# KiCad board nvme Carrier all M2.kicad_pcb (continued)
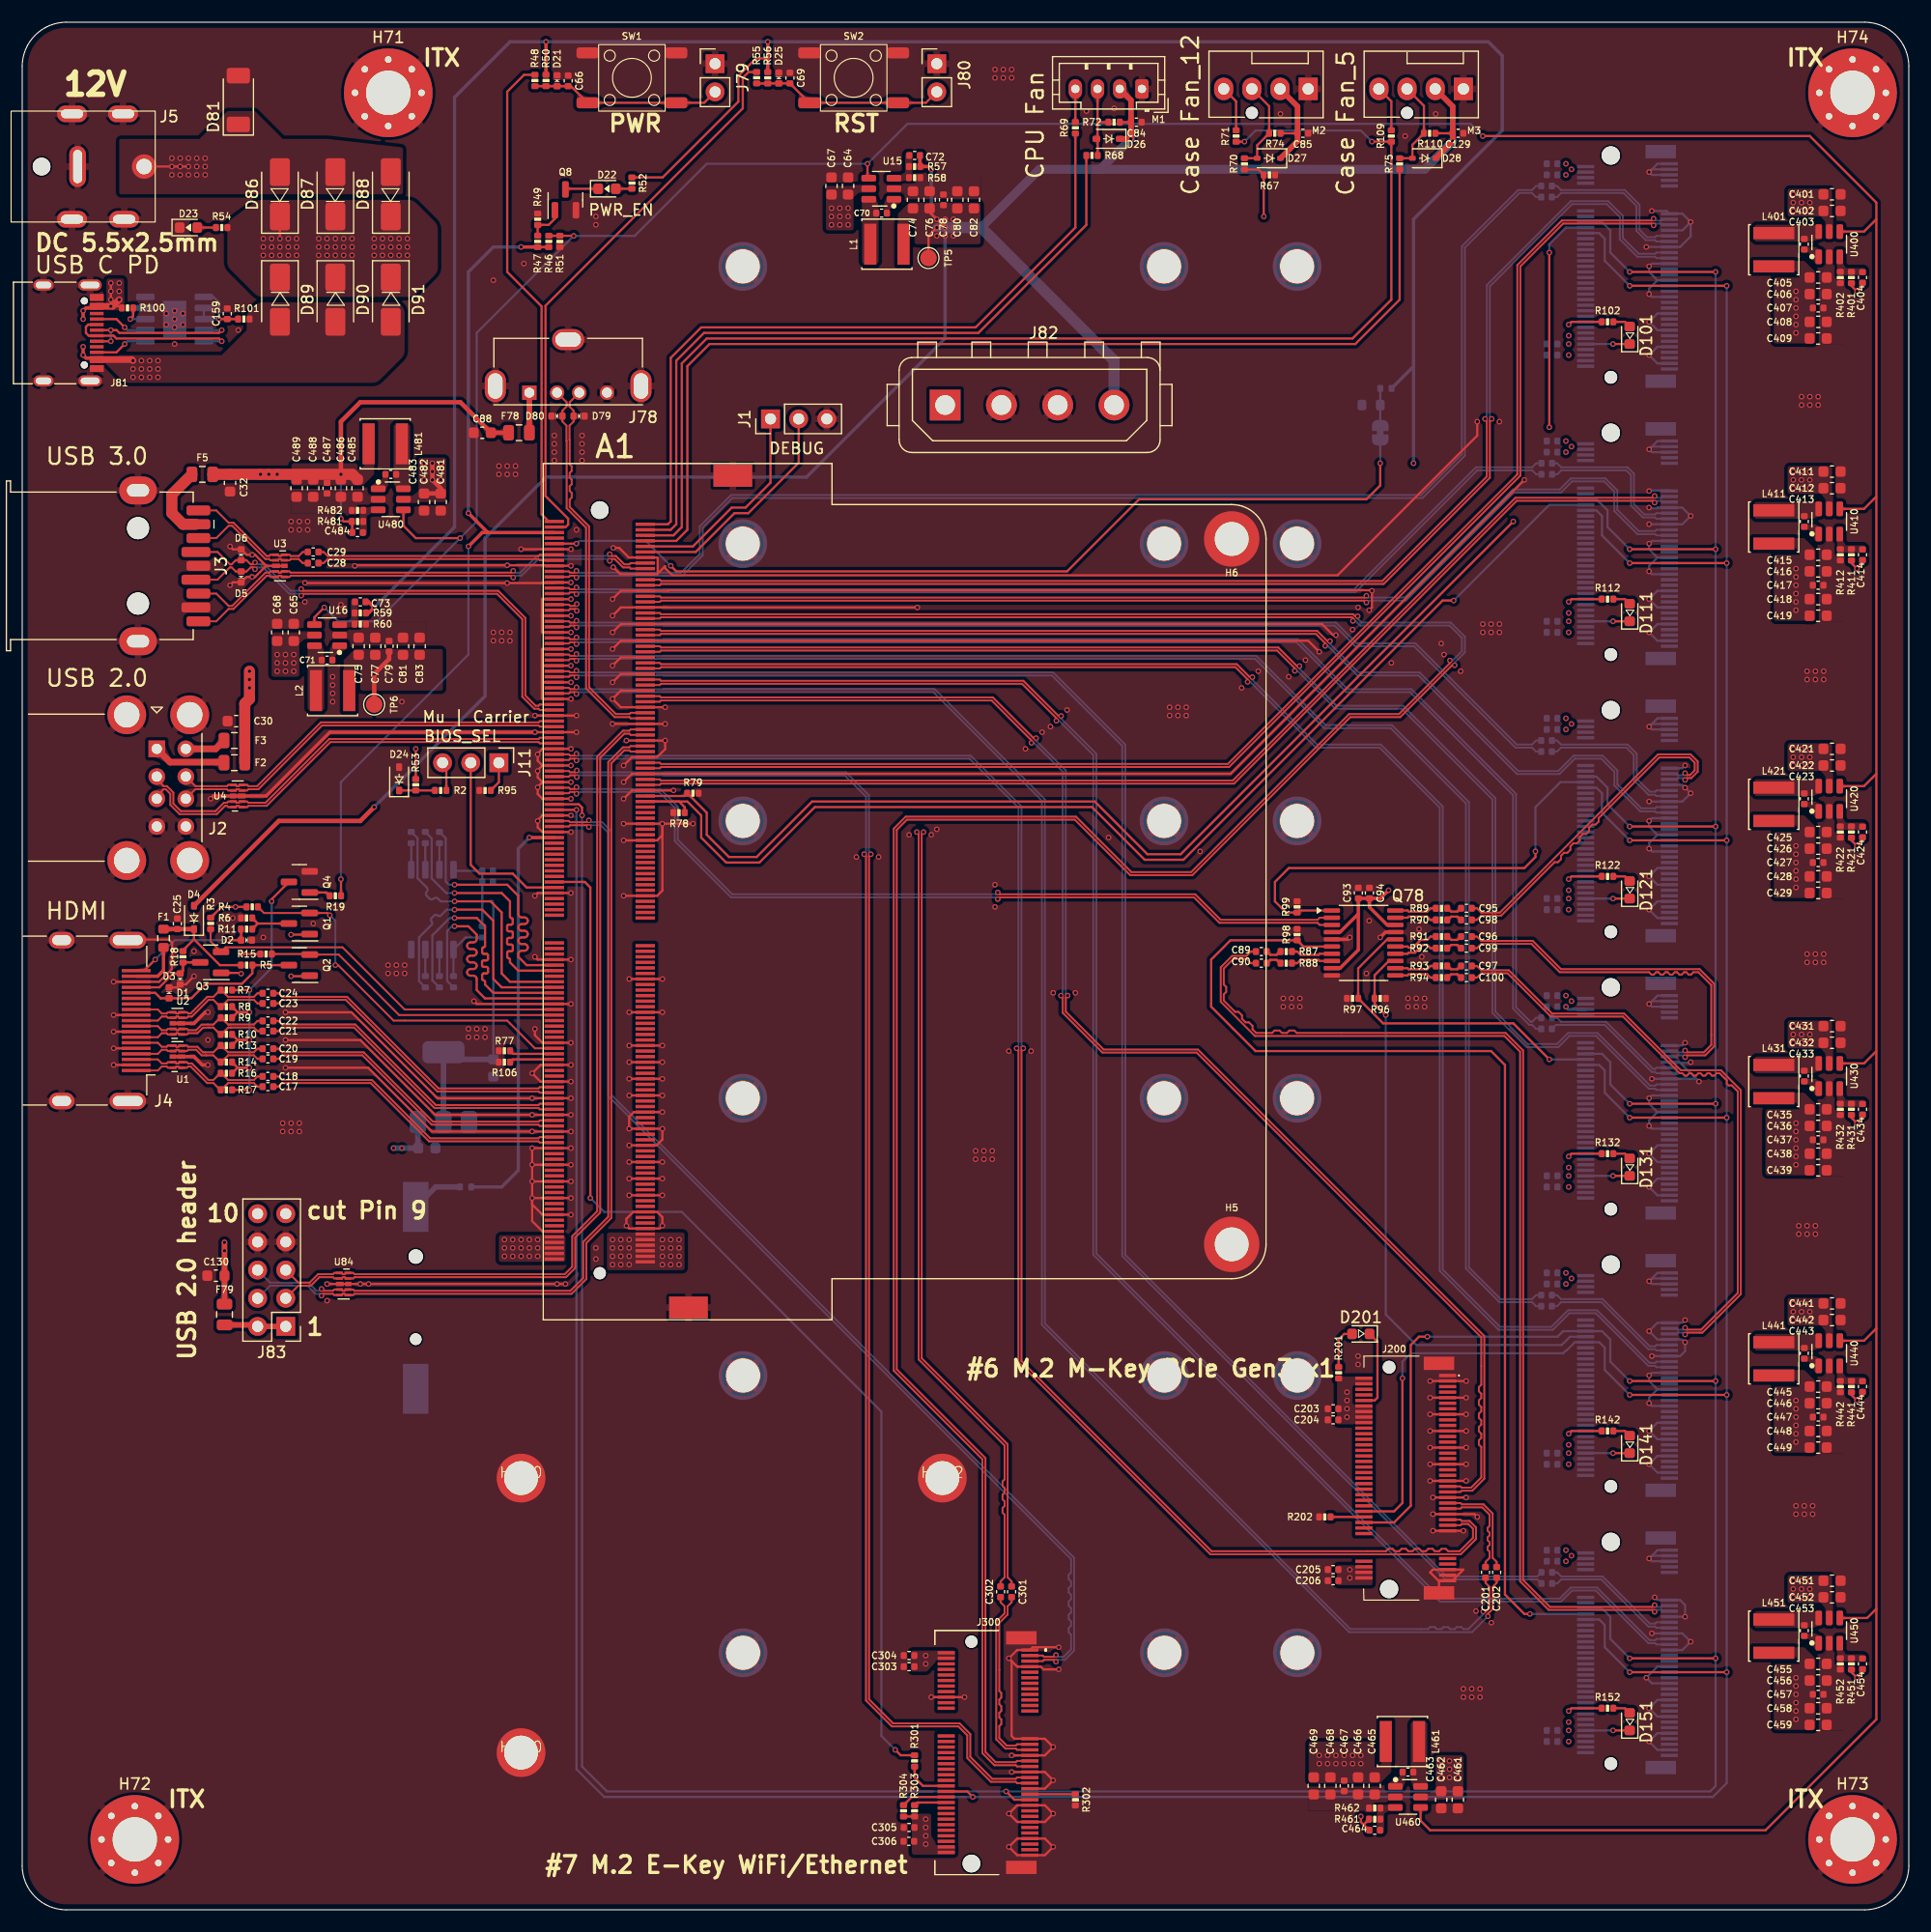
[diagram p0: board, top side]
## Footprints (pads in the part's own frame, mm; a bottom-side part is the same pattern mirrored in y, then rotated) (continued)
R_0402_1005Metric
  rrect 0.54x0.64 smd: 1(-0.51,0) 2(0.51,0)
R_0603_1608Metric
  rrect 0.8x0.95 smd: 1(-0.825,0) 2(0.825,0)
SOIC-8_5.23x5.23mm_P1.27mm
  rrect 1.6x0.6 smd: 1(-3.6,1.905) 2(-3.6,0.635) 3(-3.6,-0.635) 4(-3.6,-1.905) 5(3.6,-1.905) 6(3.6,-0.635) 7(3.6,0.635) 8(3.6,1.905)
SolderJumper-2_P1.3mm_Bridged_RoundedPad1.0x1.5mm
  custom 1x1.5 smd: 1(-0.65,0) 2(0.65,0)
SOT-23
  rrect 1.475x0.6 smd: 1(-0.938,0.95) 2(-0.938,-0.95) 3(0.938,0)
SOT-223-3_TabPin2
  rrect 2x1.5 smd: 1(-3.15,2.3) 2(-3.15,0) 3(-3.15,-2.3)
  rrect 2x3.8 smd: 2(3.15,0)
SSOP-10-1EP_3.9x4.9mm_P1mm_EP2.1x3.3mm
  rrect 1.69x2.66 smd: (0,0)
  rrect 1.675x0.6 smd: 1(-2.638,2) 2(-2.638,1) 3(-2.638,0) 4(-2.638,-1) 5(-2.638,-2) 6(2.638,-2) 7(2.638,-1) 8(2.638,0) 9(2.638,1) 10(2.638,2)
  rect 2.1x3.3 smd: 11(0,0)
SW_Push_6x6x6
  rrect 2x1 smd: 1(-4,2.25) 1(4,2.25) 2(-4,-2.25) 2(4,-2.25)
TE_MATE-N-LOK_350211-1_1x04_P5.08mm_Vertical
  rect 2.78x2.78 hole 1.78: 1(0,0)
  round 2.78 hole 1.78: 2(5.08,0) 3(10.16,0) 4(15.24,0)
TestPoint_Pad_D1.5mm
  round 1.5 smd: 1(0,0)
TSOT-23-6
  rrect 1.325x0.6 smd: 1(-1.137,0.95) 2(-1.137,0) 3(-1.137,-0.95) 4(1.137,-0.95) 5(1.137,0) 6(1.137,0.95)
TSSOP-20_4.4x6.5mm_P0.65mm
  rrect 1.475x0.4 smd: 1(-2.862,2.925) 2(-2.862,2.275) 3(-2.862,1.625) 4(-2.862,0.975) 5(-2.862,0.325) 6(-2.862,-0.325) 7(-2.862,-0.975) 8(-2.862,-1.625) 9(-2.862,-2.275) 10(-2.862,-2.925) 11(2.862,-2.925) 12(2.862,-2.275) 13(2.862,-1.625) 14(2.862,-0.975) 15(2.862,-0.325) 16(2.862,0.325) 17(2.862,0.975) 18(2.862,1.625) 19(2.862,2.275) 20(2.862,2.925)
USB3_A_Receptacle_Wuerth_692122030100
  round 2 hole 2 unplated: (-3.4,3.45) (3.4,3.45)
  rrect 0.9x2.6 smd: 1(-3.75,8.67) 2(-1.25,8.67) 3(1.25,8.67) 4(3.75,8.67)
  rrect 0.9x2.15 smd: 5(5,8.895) 6(2.5,8.895) 7(0,8.895) 8(-2.5,8.895) 9(-5,8.895)
  oval 2.52x3.4 hole 1.12x2: 10(-6.8,3.45) 10(6.8,3.45)
USB_A_CUI_UJ2-ADH-TH_Horizontal_Stacked
  rect 1.5x1.5 hole 0.92: 1(0,0)
  round 1.5 hole 0.92: 2(0,-2.5) 3(0,-4.5) 4(0,-7) 5(2.62,0) 6(2.62,-2.5) 7(2.62,-4.5) 8(2.62,-7)
  round 3.5 hole 2.3: 9(-2.71,3.07) 9(-2.71,-10.07) 9(2.97,3.07) 9(2.97,-10.07)
USB_A_Molex_105057_Vertical
  rect 1.3x1.3 hole 0.9: 1(0,0)
  round 1.3 hole 0.9: 2(2.5,0) 3(4.5,0) 4(7,0)
  oval 1.9x2.9 hole 1.3x2.3: 5(-3.07,0.6) 5(10.07,0.6)
  oval 2.9x1.9 hole 2.3x1.3: 5(3.5,4.78)
USB_C_Receptacle_G-Switch_GT-USB-7010ASV
  round 0.65 hole 0.65 unplated: (-2.89,2.605) (2.89,2.605)
  rect 0.6x1.24 smd: A1(-3.2,3.725) A4(-2.4,3.725) A9(2.4,3.725) A12(3.2,3.725) B1(3.2,3.725) B4(2.4,3.725) B9(-2.4,3.725) B12(-3.2,3.725)
  rect 0.3x1.24 smd: A5(-1.25,3.725) A6(-0.25,3.725) A7(0.25,3.725) A8(1.25,3.725) B5(1.75,3.725) B6(0.75,3.725) B7(-0.75,3.725) B8(-1.75,3.725)
  oval 1x2.1 hole 0.6x1.7: S1(-4.32,3.125) S1(4.32,3.125)
  oval 1x1.8 hole 0.6x1.4: S1(-4.32,-1.075) S1(4.32,-1.075)

## Nets
5V_HDMI_VCC: C25.1 D4.1 F1.1 R15.1 R18.1
+3V3: C73.1 C75.2 C77.2 C79.1 C81.2 C83.2 C93.1 C94.1 L2.2 Q1.1 Q2.1 Q3.1 Q78.4 Q78.9 Q78.18 R3.1 R4.1 R5.1 R50.2 R52.2 R56.2 R59.2 R63.1 TP6.1
+3V3 Bios: C91.2 D78.2 U78.2
+3V3a: C101.2 C102.2 C103.2 C104.2 C404.1 C405.2 C406.2 C407.1 C408.2 C409.2 J100.2 J100.4 J100.12 J100.14 J100.16 J100.18 J100.70 J100.72 J100.74 L401.2 R102.2 R401.2
+3V3b: C111.2 C112.2 C113.2 C114.2 C414.1 C415.2 C416.2 C417.1 C418.2 C419.2 J110.2 J110.4 J110.12 J110.14 J110.16 J110.18 J110.70 J110.72 J110.74 L411.2 R112.2 R411.2
+3V3c: C121.2 C122.2 C123.2 C124.2 C424.1 C425.2 C426.2 C427.1 C428.2 C429.2 J120.2 J120.4 J120.12 J120.14 J120.16 J120.18 J120.70 J120.72 J120.74 L421.2 R122.2 R421.2
+3V3d: C131.2 C132.2 C133.2 C134.2 C434.1 C435.2 C436.2 C437.1 C438.2 C439.2 J130.2 J130.4 J130.12 J130.14 J130.16 J130.18 J130.70 J130.72 J130.74 L431.2 R132.2 R431.2
+3V3e: C141.2 C142.2 C143.2 C144.2 C444.1 C445.2 C446.2 C447.1 C448.2 C449.2 J140.2 J140.4 J140.12 J140.14 J140.16 J140.18 J140.70 J140.72 J140.74 L441.2 R142.2 R441.2
+3V3f: C151.2 C152.2 C153.2 C154.2 C454.1 C455.2 C456.2 C457.1 C458.2 C459.2 J150.2 J150.4 J150.12 J150.14 J150.16 J150.18 J150.70 J150.72 J150.74 L451.2 R152.2 R451.2
+3V3g: C203.2 C204.2 C205.2 C206.2 C303.2 C304.2 C305.2 C306.2 C464.1 C465.2 C466.2 C467.1 C468.2 C469.2 J200.2 J200.4 J200.12 J200.14 J200.16 J200.18 J200.70 J200.72 J200.74 J300.2 J300.4 J300.72 J300.74 L461.2 R201.2 R303.2 R304.1 R461.2
+5V: C72.1 C74.2 C76.2 C78.1 C80.2 C82.2 C84.1 C129.1 D4.2 D26.1 D28.1 J82.4 L1.2 M1.2 M3.2 R57.2 R72.1 R110.1 TP5.1
+5Va: C30.2 C32.2 C88.2 C130.2 C484.1 C485.2 C486.2 C487.1 C488.2 C489.2 F2.1 F3.1 F5.1 F78.1 F79.1 L481.2 R481.2
+12V: C85.1 D27.1 D81.1 D86.2 D87.2 D88.2 J5.1 J82.1 M2.2 R74.1
+15V: D89.2 D90.2 D91.2 J81.A4 J81.A9 J81.B4 J81.B9 R100.2 R101.2
GND: A1.11 A1.14 A1.17 A1.20 A1.23 A1.26 A1.29 A1.32 A1.35 A1.38 A1.41 A1.44 A1.47 A1.50 A1.53 A1.56 A1.59 A1.62 A1.65 A1.68 A1.71 A1.74 A1.77 A1.80 A1.83 A1.86 A1.89 A1.92 A1.95 A1.98 A1.101 A1.107 A1.110 A1.113 A1.116 A1.135 A1.136 A1.151 A1.158 A1.167 A1.170 A1.181 A1.182 A1.188 A1.189 A1.194 A1.195 A1.200 A1.201 A1.206 A1.207 A1.212 A1.213 A1.218 A1.219 A1.224 A1.225 A1.230 A1.231 A1.236 A1.237 A1.242 A1.243 A1.248 A1.249 A1.MP BT1.2 C25.2 C30.1 C32.1 C64.1 C65.1 C66.2 C67.1 C68.1 C69.2 C74.1 C75.1 C76.1 C77.1 C78.2 C79.2 C80.1 C81.1 C82.1 C83.1 C84.2 C85.2 C86.2 C87.2 C88.1 C91.1 C92.1 C93.2 C94.2 C101.1 C102.1 C103.1 C104.1 C111.1 C112.1 C113.1 C114.1 C121.1 C122.1 C123.1 C124.1 C129.2 C130.1 C131.1 C132.1 C133.1 C134.1 C141.1 C142.1 C143.1 C144.1 C151.1 C152.1 C153.1 C154.1 C159.1 C203.1 C204.1 C205.1 C206.1 C303.1 C304.1 C305.1 C306.1 C401.1 C402.1 C405.1 C406.1 C407.2 C408.1 C409.1 C411.1 C412.1 C415.1 C416.1 C417.2 C418.1 C419.1 C421.1 C422.1 C425.1 C426.1 C427.2 C428.1 C429.1 C431.1 C432.1 C435.1 C436.1 C437.2 C438.1 C439.1 C441.1 C442.1 C445.1 C446.1 C447.2 C448.1 C449.1 C451.1 C452.1 C455.1 C456.1 C457.2 C458.1 C459.1 C461.1 C462.1 C465.1 C466.1 C467.2 C468.1 C469.1 C481.1 C482.1 C485.1 C486.1 C487.2 C488.1 C489.1 D1.1 D2.1 D3.1 D5.1 D6.1 D21.1 D23.1 D24.2 D25.1 D79.1 D80.1 D81.2 H5.1 H6.1 H71.1 H72.1 H73.1 H74.1 H242.1 H280.1 H300.1 H1032.1 H1042.1 H1080.1 H1130.1 H1142.1 H1180.1 H1230.1 H1242.1 H1280.1 H1330.1 H1342.1 H1380.1 H1430.1 H1442.1 H1480.1 H1530.1 H1542.1 H1580.1 J1.3 J2.4 J2.8 J2.9 J3.4 J3.7 J3.10 J4.2 J4.5 J4.8 J4.11 J4.17 J4.SH J5.2 J5.3 J78.4 J78.5 J79.1 J80.1 J81.A1 J81.A12 J81.B1 J81.B12 J81.S1 J82.2 J82.3 J83.7 J83.8 J100.1 J100.3 J100.9 J100.15 J100.21 J100.27 J100.33 J100.39 J100.45 J100.51 J100.57 J100.71 J100.73 J100.75 J100.MP1 J100.MP2 J110.1 J110.3 J110.9 J110.15 J110.21 J110.27 J110.33 J110.39 J110.45 J110.51 J110.57 J110.71 J110.73 J110.75 J110.MP1 J110.MP2 J120.1 J120.3 J120.9 J120.15 J120.21 J120.27 J120.33 J120.39 J120.45 J120.51 J120.57 J120.71 J120.73 J120.75 J120.MP1 J120.MP2 J130.1 J130.3 J130.9 J130.15 J130.21 J130.27 J130.33 J130.39 J130.45 J130.51 J130.57 J130.71 J130.73 J130.75 J130.MP1 J130.MP2 J140.1 J140.3 J140.9 J140.15 J140.21 J140.27 J140.33 J140.39 J140.45 J140.51 J140.57 J140.71 J140.73 J140.75 J140.MP1 J140.MP2 J150.1 J150.3 J150.9 J150.15 J150.21 J150.27 J150.33 J150.39 J150.45 J150.51 J150.57 J150.71 J150.73 J150.75 J150.MP1 J150.MP2 J200.1 J200.3 J200.9 J200.15 J200.21 J200.27 J200.33 J200.39 J200.45 J200.51 J200.57 J200.71 J200.73 J200.75 J200.MP1 J200.MP2 J300.1 J300.7 J300.18 J300.33 J300.39 J300.45 J300.51 J300.57 J300.63 J300.69 J300.75 J300.MP1 J300.MP2 M1.1 M2.1 M3.1 Q4.2 Q8.2 Q78.5 Q78.10 Q78.17 R6.2 R49.1 R51.1 R58.1 R60.1 R67.2 R77.2 R78.2 R79.2 R95.1 R96.2 R97.2 R98.2 R99.2 R106.2 R202.2 R302.2 R402.1 R412.1 R422.1 R432.1 R442.1 R452.1 R462.1 R482.1 SW1.2 SW2.2 TH1.2 U1.3 U1.8 U2.3 U2.8 U3.3 U3.8 U4.3 U4.8 U15.2 U16.2 U78.1 U79.4 U80.9 U80.11 U84.3 U84.8 U400.2 U410.2 U420.2 U430.2 U440.2 U450.2 U460.2 U480.2
+BATT: A1.115 R1.1
/BIOS/SPI-CS: A1.165 R81.1
/BIOS/SPI-IO0: A1.159 R83.1
/BIOS/SPI-IO1: A1.163 R84.1
/BIOS/SPI-IO2: A1.161 R85.1
/BIOS/SPI-IO3: A1.153 R86.1
/BIOS/SPI_CLK: A1.155 R82.1
/Fan_Temp/FAN_1_PWM: A1.2 R69.1
/Fan_Temp/FAN_1_TAC: A1.4 R68.2
/Fan_Temp/FAN_2_PWM: A1.6 R71.1 R109.1
/Fan_Temp/FAN_2_TAC: A1.8 R75.1
/Fan_Temp/TEMP: A1.9 JP2.1
/HDMI DP/DDC_SCL: D1.2 J4.15 Q2.3 R15.2
/HDMI DP/DDC_SDA: D3.2 J4.16 Q3.3 R18.2
/HDMI DP/DDI_B_DDC_SCL: A1.171 Q2.2 R5.2
/HDMI DP/DDI_B_DDC_SDA: A1.169 Q3.2 R3.2
/HDMI DP/DDI_B_HPD: A1.183 Q1.2 R4.2
/HDMI DP/DDI_B_TX0+: A1.217 C17.1
/HDMI DP/DDI_B_TX0-: A1.215 C18.1
/HDMI DP/DDI_B_TX1+: A1.211 C19.1
/HDMI DP/DDI_B_TX1-: A1.209 C20.1
/HDMI DP/DDI_B_TX2+: A1.205 C21.1
/HDMI DP/DDI_B_TX2-: A1.203 C22.1
/HDMI DP/DDI_B_TX3+: A1.199 C23.1
/HDMI DP/DDI_B_TX3-: A1.197 C24.1
/HDMI DP/HPD: D2.2 J4.19 R11.2
/HDMI DP/TCP_0_AUX+: A1.223
/HDMI DP/TCP_0_AUX-: A1.221
/HDMI DP/TCP_0_HPD: A1.187 R106.1
/HDMI DP/TCP_0_TX0+: A1.247
/HDMI DP/TCP_0_TX0-: A1.245
/HDMI DP/TCP_0_TX1+: A1.235
/HDMI DP/TCP_0_TX1-: A1.233
/HDMI DP/TCP_0_TXRX0+: A1.241
/HDMI DP/TCP_0_TXRX0-: A1.239
/HDMI DP/TCP_0_TXRX1+: A1.229
/HDMI DP/TCP_0_TXRX1-: A1.227
/HDMI DP/TMDS_CK+: C23.2 J4.10 R8.1 U2.4 U2.7
/HDMI DP/TMDS_CK-: C24.2 J4.12 R7.1 U2.5 U2.6
/HDMI DP/TMDS_D0+: C21.2 J4.7 R10.1 U2.1 U2.10
/HDMI DP/TMDS_D0-: C22.2 J4.9 R9.1 U2.2 U2.9
/HDMI DP/TMDS_D1+: C19.2 J4.4 R14.1 U1.4 U1.7
/HDMI DP/TMDS_D1-: C20.2 J4.6 R13.1 U1.5 U1.6
/HDMI DP/TMDS_D2+: C17.2 J4.1 R17.1 U1.1 U1.10
/HDMI DP/TMDS_D2-: C18.2 J4.3 R16.1 U1.2 U1.9
/LattePanda Module/CLKREQ3: A1.100 J100.52 R79.1
/LattePanda Module/CLKREQ4: A1.102 J110.52 R78.1
/LattePanda Module/HSIO_0_TX+: A1.13 C29.1
/LattePanda Module/HSIO_0_TX-: A1.15 C28.1
/LattePanda Module/HSIO_1_RX+: A1.22 J100.43
/LattePanda Module/HSIO_1_RX-: A1.24 J100.41
/LattePanda Module/HSIO_1_TX+: A1.19 C105.1
/LattePanda Module/HSIO_1_TX-: A1.21 C106.1
/LattePanda Module/HSIO_2_RX+: A1.28 J110.43
/LattePanda Module/HSIO_2_RX-: A1.30 J110.41
/LattePanda Module/HSIO_2_TX+: A1.25 C115.1
/LattePanda Module/HSIO_2_TX-: A1.27 C116.1
/LattePanda Module/HSIO_3_RX+: A1.34 J300.41
/LattePanda Module/HSIO_3_RX-: A1.36 J300.43
/LattePanda Module/HSIO_3_TX+: A1.31 C301.1
/LattePanda Module/HSIO_3_TX-: A1.33 C302.1
/LattePanda Module/HSIO_6_RX+: A1.64 J200.43
/LattePanda Module/HSIO_6_RX-: A1.66 J200.41
/LattePanda Module/HSIO_6_TX+: A1.61 C201.1
/LattePanda Module/HSIO_6_TX-: A1.63 C202.1
/LattePanda Module/HSIO_8_RX+: A1.40 J120.43
/LattePanda Module/HSIO_8_RX-: A1.42 J120.41
/LattePanda Module/HSIO_8_TX+: A1.37 C125.1
/LattePanda Module/HSIO_8_TX-: A1.39 C126.1
/LattePanda Module/HSIO_9_RX+: A1.46 J130.43
/LattePanda Module/HSIO_9_RX-: A1.48 J130.41
/LattePanda Module/HSIO_9_TX+: A1.43 C135.1
/LattePanda Module/HSIO_9_TX-: A1.45 C136.1
/LattePanda Module/HSIO_10_RX+: A1.52 J140.43
/LattePanda Module/HSIO_10_RX-: A1.54 J140.41
/LattePanda Module/HSIO_10_TX+: A1.49 C145.1
/LattePanda Module/HSIO_10_TX-: A1.51 C146.1
/LattePanda Module/HSIO_11_RX+: A1.58 J150.43
/LattePanda Module/HSIO_11_RX-: A1.60 J150.41
/LattePanda Module/HSIO_11_TX+: A1.55 C155.1
/LattePanda Module/HSIO_11_TX-: A1.57 C156.1
/LattePanda Module/REFCLK0+: A1.85 J200.55
/LattePanda Module/REFCLK0-: A1.87 J200.53
/LattePanda Module/REFCLK1+: A1.91 J300.47
/LattePanda Module/REFCLK1-: A1.93 J300.49
/LattePanda Module/REFCLK2+: A1.97 Q78.2
/LattePanda Module/REFCLK2-: A1.99 Q78.3
/LattePanda Module/REFCLK3+: A1.88 J100.55
/LattePanda Module/REFCLK3-: A1.90 J100.53
/LattePanda Module/REFCLK4+: A1.94 J110.55
/LattePanda Module/REFCLK4-: A1.96 J110.53
/LattePanda Module/SLS_S3: A1.7
/LattePanda Module/SUSCLK: A1.131 R301.2
/LattePanda Module/USB_2_P4+: A1.70 D79.2 J78.3
/LattePanda Module/USB_2_P4-: A1.72 D80.2 J78.2
/LattePanda Module/USB_2_P5+: A1.111 J300.3
/LattePanda Module/USB_2_P5-: A1.109 J300.5
/LattePanda Module/~{PWR_SW}: A1.1 R48.2
/LattePanda Module/~{RST_SW}: A1.3 R55.2
/M.2 E&M-Key/PCIE30_TX0_N: C202.2 J200.47
/M.2 E&M-Key/PCIE30_TX0_P: C201.2 J200.49
/M.2 E&M-Key/PCIE30_TX1_N: C302.2 J300.37
/M.2 E&M-Key/PCIE30_TX1_P: C301.2 J300.35
/M.2 E&M-Key/~{CLKREQE}: J300.53 R302.1
/M.2 E&M-Key/~{CLKREQM}: J200.52 R202.1
/M.2 M Key/CLKREQM2: J120.52 Q78.1 R99.1
/M.2 M Key/CLKREQM3: J130.52 Q78.16 R97.1
/M.2 M Key/CLKREQM4: J140.52 Q78.13 R96.1
/M.2 M Key/CLKREQM5: J150.52 Q78.6 R98.1
/M.2 M Key/CON_PCIE_TX_0+: C105.2 J100.49
/M.2 M Key/CON_PCIE_TX_0-: C106.2 J100.47
/M.2 M Key/CON_PCIE_TX_1+: C115.2 J110.49
/M.2 M Key/CON_PCIE_TX_1-: C116.2 J110.47
/M.2 M Key/CON_PCIE_TX_2+: C125.2 J120.49
/M.2 M Key/CON_PCIE_TX_2-: C126.2 J120.47
/M.2 M Key/CON_PCIE_TX_3+: C135.2 J130.49
/M.2 M Key/CON_PCIE_TX_3-: C136.2 J130.47
/M.2 M Key/CON_PCIE_TX_4+: C145.2 J140.49
/M.2 M Key/CON_PCIE_TX_4-: C146.2 J140.47
/M.2 M Key/CON_PCIE_TX_5+: C155.2 J150.49
/M.2 M Key/CON_PCIE_TX_5-: C156.2 J150.47
/M.2 M Key/REFCLKM2+: C98.2 J120.55
/M.2 M Key/REFCLKM2-: C95.2 J120.53
/M.2 M Key/REFCLKM3+: C99.2 J130.55
/M.2 M Key/REFCLKM3-: C96.2 J130.53
/M.2 M Key/REFCLKM4+: C100.2 J140.55
/M.2 M Key/REFCLKM4-: C97.2 J140.53
/M.2 M Key/REFCLKM5+: C90.1 J150.55
/M.2 M Key/REFCLKM5-: C89.1 J150.53
/PCIe CLK Buffer/DIF0+: Q78.19 R90.2
/PCIe CLK Buffer/DIF0-: Q78.20 R89.1
/PCIe CLK Buffer/DIF1+: Q78.14 R92.2
/PCIe CLK Buffer/DIF1-: Q78.15 R91.1
/PCIe CLK Buffer/DIF2+: Q78.11 R94.2
/PCIe CLK Buffer/DIF2-: Q78.12 R93.1
/PCIe CLK Buffer/DIF3+: Q78.8 R88.1
/PCIe CLK Buffer/DIF3-: Q78.7 R87.2
/PCIe CLK Buffer/RDIF0+: C98.1 R90.1
/PCIe CLK Buffer/RDIF0-: C95.1 R89.2
/PCIe CLK Buffer/RDIF1+: C99.1 R92.1
/PCIe CLK Buffer/RDIF1-: C96.1 R91.2
/PCIe CLK Buffer/RDIF2+: C100.1 R94.1
/PCIe CLK Buffer/RDIF2-: C97.1 R93.2
/PCIe CLK Buffer/RDIF3+: C90.2 R88.2
/PCIe CLK Buffer/RDIF3-: C89.2 R87.1
/PSU/PWR_EN: R46.2 R51.2 U15.4 U16.4 U400.4 U410.4 U420.4 U430.4 U440.4 U450.4 U460.4 U480.4
/USB/CON_USB1_D_N: A1.79 J2.2 U4.2 U4.9
/USB/CON_USB1_D_P: A1.81 J2.3 U4.1 U4.10
/USB/CON_USB2_D_N: A1.73 J2.6 U4.5 U4.6
/USB/CON_USB2_D_P: A1.75 J2.7 U4.4 U4.7
/USB/CON_USB3_D_N: A1.67 D6.2 J3.2
/USB/CON_USB3_D_P: A1.69 D5.2 J3.3
/USB/CON_USB3_SSRX_N: A1.18 J3.5 U3.5 U3.6
/USB/CON_USB3_SSRX_P: A1.16 J3.6 U3.4 U3.7
/USB/CON_USB3_SSTX_N: C28.2 J3.8 U3.2 U3.9
/USB/CON_USB3_SSTX_P: C29.2 J3.9 U3.1 U3.10
/USB/CON_USB5_D_N: A1.78 J83.3 U84.2 U84.9
/USB/CON_USB5_D_P: A1.76 J83.5 U84.1 U84.10
/USB/CON_USB6_D_N: A1.84 J83.4 U84.5 U84.6
/USB/CON_USB6_D_P: A1.82 J83.6 U84.4 U84.7
/~{PLT_RST}: A1.105 J100.50 J110.50 J120.50 J130.50 J140.50 J150.50 J200.50 J300.52
/~{PWR_LED}/~{PSON}: A1.5 R19.1 R46.1 R47.1
/~{WAKE}: A1.103 J100.54 J110.54 J120.54 J130.54 J140.54 J150.54 J200.54 J300.55
VDC: A1.250 A1.251 A1.252 A1.253 A1.254 A1.255 A1.256 A1.257 A1.258 A1.259 A1.260 C64.2 C65.2 C67.2 C68.2 C92.2 C401.2 C402.2 C411.2 C412.2 C421.2 C422.2 C431.2 C432.2 C441.2 C442.2 C451.2 C452.2 C461.2 C462.2 C481.2 C482.2 D86.1 D87.1 D88.1 D89.1 D90.1 D91.1 R53.1 R54.1 U15.5 U16.5 U78.3 U400.5 U410.5 U420.5 U430.5 U440.5 U450.5 U460.5 U480.5
VPullup: D24.1 R2.2 R53.2
Net-(A1-SIO_UART_RX): A1.12 J1.2
Net-(A1-SIO_UART_TX): A1.10 J1.1
Net-(A1-TCP1_HPD): A1.185 R77.1
Net-(A1-~{BIOS_SEL}): A1.133 J11.2
Net-(BT1-+): BT1.1 R1.2
Net-(D21-A2): C66.1 D21.2 J79.2 R48.1 R50.1 SW1.1
Net-(D22-A): D22.2 R52.1
Net-(D22-K): D22.1 Q8.3
Net-(D23-A): D23.2 R54.2
Net-(D25-A2): C69.1 D25.2 J80.2 R55.1 R56.1 SW2.1
Net-(D26-A): D26.2 M1.3 R68.1 R72.2
Net-(D27-A): D27.2 M2.3 R70.2 R74.2
Net-(D28-A): D28.2 M3.3 R75.2 R110.2
Net-(D78-K): C86.1 C87.1 D78.1 R80.1 U79.8
Net-(D101-A): D101.2 R102.1
Net-(D101-K): D101.1 J100.10
Net-(D111-A): D111.2 R112.1
Net-(D111-K): D111.1 J110.10
Net-(D121-A): D121.2 R122.1
Net-(D121-K): D121.1 J120.10
Net-(D131-A): D131.2 R132.1
Net-(D131-K): D131.1 J130.10
Net-(D141-A): D141.2 R142.1
Net-(D141-K): D141.1 J140.10
Net-(D151-A): D151.2 R152.1
Net-(D151-K): D151.1 J150.10
Net-(D201-A): D201.2 R201.1
Net-(D201-K): D201.1 J200.10
Net-(F79-Pad2): F79.2 J83.1 J83.2
Net-(J2-VBUS1): F2.2 J2.1
Net-(J2-VBUS2): F3.2 J2.5
Net-(J3-VBUS): F5.2 J3.1
Net-(J4-+5V): F1.2 J4.18
Net-(J11-Pin_1): J11.1 R95.2
Net-(J11-Pin_3): J11.3 R2.1
Net-(J78-VBUS): F78.2 J78.1
Net-(J81-CC1): J81.A5 U80.7
Net-(J81-CC2): J81.B5 U80.6
Net-(J300-SUSCLK): J300.50 R301.1
Net-(J300-~{W_DISABLE1}): J300.56 R303.1
Net-(J300-~{W_DISABLE2}): J300.54 R304.2
Net-(JP2-B): JP2.2 R63.2 TH1.1
Net-(M1-PWM): M1.4 R69.2
Net-(M2-PWM): M2.4 R71.2
Net-(M3-PWM): M3.4 R109.2
Net-(Q1-D): Q1.3 R6.1 R11.1
Net-(Q4-D): Q4.3 R7.2 R8.2 R9.2 R10.2 R13.2 R14.2 R16.2 R17.2
Net-(Q4-G): Q4.1 R19.2
Net-(Q8-G): Q8.1 R47.2 R49.2
Net-(U15-BOOST): C70.2 U15.1
Net-(U15-FB): C72.2 R57.1 R58.2 U15.3
Net-(U15-SW): C70.1 L1.1 U15.6
Net-(U16-BOOST): C71.2 U16.1
Net-(U16-FB): C73.2 R59.1 R60.2 U16.3
Net-(U16-SW): C71.1 L2.1 U16.6
Net-(U79-CLK): R82.2 U79.6
Net-(U79-DI(IO0)): R83.2 U79.5
Net-(U79-DO(IO1)): R84.2 U79.2
Net-(U79-IO2): R85.2 U79.3
Net-(U79-IO3): R86.2 U79.7
Net-(U79-~{CS}): R80.2 R81.2 U79.1
Net-(U80-CFG2): C159.2 R101.1 U80.1 U80.2 U80.3
Net-(U80-DM): J81.A7 J81.B7 U80.5
Net-(U80-DP): J81.A6 J81.B6 U80.4
Net-(U80-VBUS): R100.1 U80.8
Net-(U400-BOOST): C403.2 U400.1
Net-(U400-FB): C404.2 R401.1 R402.2 U400.3
Net-(U400-SW): C403.1 L401.1 U400.6
Net-(U410-BOOST): C413.2 U410.1
Net-(U410-FB): C414.2 R411.1 R412.2 U410.3
Net-(U410-SW): C413.1 L411.1 U410.6
Net-(U420-BOOST): C423.2 U420.1
Net-(U420-FB): C424.2 R421.1 R422.2 U420.3
Net-(U420-SW): C423.1 L421.1 U420.6
Net-(U430-BOOST): C433.2 U430.1
Net-(U430-FB): C434.2 R431.1 R432.2 U430.3
Net-(U430-SW): C433.1 L431.1 U430.6
Net-(U440-BOOST): C443.2 U440.1
Net-(U440-FB): C444.2 R441.1 R442.2 U440.3
Net-(U440-SW): C443.1 L441.1 U440.6
Net-(U450-BOOST): C453.2 U450.1
Net-(U450-FB): C454.2 R451.1 R452.2 U450.3
Net-(U450-SW): C453.1 L451.1 U450.6
Net-(U460-BOOST): C463.2 U460.1
Net-(U460-FB): C464.2 R461.1 R462.2 U460.3
Net-(U460-SW): C463.1 L461.1 U460.6
Net-(U480-BOOST): C483.2 U480.1
Net-(U480-FB): C484.2 R481.1 R482.2 U480.3
Net-(U480-SW): C483.1 L481.1 U480.6

Pads without a net: A1 104 106 108 112 114 117 118 119 120 121 122 123 124 125 126 127 128 129 130 132 134 137 138 139 140 141 142 143 144 145 146 147 148 149 150 152 154 156 157 160 162 164 166 168 172 173 174 175 176 177 178 179 180 184 186 190 191 192 193 196 198 202 204 208 210 214 216 220 222 226 228 232 234 238 240 244 246; J4 13 14; J81 A8 B8; J83 9 10; J100 5 6 7 8 11 13 17 19 20 22 23 24 25 26 28 29 30 31 32 34 35 36 37 38 40 42 44 46 48 56 58 67 68 69; J110 5 6 7 8 11 13 17 19 20 22 23 24 25 26 28 29 30 31 32 34 35 36 37 38 40 42 44 46 48 56 58 67 68 69; J120 5 6 7 8 11 13 17 19 20 22 23 24 25 26 28 29 30 31 32 34 35 36 37 38 40 42 44 46 48 56 58 67 68 69; J130 5 6 7 8 11 13 17 19 20 22 23 24 25 26 28 29 30 31 32 34 35 36 37 38 40 42 44 46 48 56 58 67 68 69; J140 5 6 7 8 11 13 17 19 20 22 23 24 25 26 28 29 30 31 32 34 35 36 37 38 40 42 44 46 48 56 58 67 68 69; J150 5 6 7 8 11 13 17 19 20 22 23 24 25 26 28 29 30 31 32 34 35 36 37 38 40 42 44 46 48 56 58 67 68 69; J200 5 6 7 8 11 13 17 19 20 22 23 24 25 26 28 29 30 31 32 34 35 36 37 38 40 42 44 46 48 56 58 67 68 69; J300 6 8 9 10 11 12 13 14 15 16 17 19 20 21 22 23 32 34 36 38 40 42 44 46 48 58 59 60 61 62 64 65 66 67 68 70 71 73; R67 1; R70 1; U80 10

## Via types
v1: diameter 0.5, hole 0.3, Top to Bottom, 926 vias

## Routing (per net, layer and track width the routed paths; a pad name or vN(x,y) marks a point on that pad's centre or on a via; arc(x,y) is an arc through that point)
5V_HDMI_VCC: length 10.4
  Top w0.2: R18.1 14.5,86.5 15.5,87.51 ; 15.5,87.51 D4.1 ; 15.5,87.51 17.83,85.18 R15.1
  Top w0.4: D4.1 F1.1
+3V3: length 335.3
  Top w0.2: R4.1 v1(19.25,90.43) 17.98,90.43 R3.1 ; v1(24.25,84.18) 25.89,84.18 Q2.1 ; v1(19.75,86.18) R5.1 ; Q1.1 25.89,87.93 v1(24.25,87.93) ; R52.2 57.77,156.2 64.6,163.03 64.6,165.34 66.18,166.93 67.25,166.93 ; Q3.1 19.68,84.48 v1(19.75,84.41)
  Top w0.3: C94.1 122.52,91.2 v1(123.25,91.93) ; C94.1 C93.1 120.52,89.8 ; C94.1 121.52,90.4 123.13,88.8 Q78.18 ; R59.2 31.25,116.93 v1(31.75,117.43) 31.25,117.93 C73.1 ; 120.52,89.8 120.52,86.55 118.87,84.9 Q78.9 ; 120.52,89.8 118.87,88.15 Q78.4 ; R56.2 v1(67.25,168.43) ; v1(47.25,168.43) R50.2
  Top w0.4: C79.1 33.1,112.78 v1(31.75,111.43) TP6.1
  In2.PWR w0.2: v1(24.25,87.93) v1(24.25,84.18) 23.75,83.68 20.48,83.68 v1(19.75,84.41) v1(19.75,86.18) 19.75,89.93 v1(19.25,90.43)
  In2.PWR w0.3: v1(125.5,130.43) 125.5,94.18 v1(123.25,91.93)
  In2.PWR w0.4: v1(24.25,87.93) 24.25,91.18 25,91.93 25,100.18 31.75,106.93 v1(31.75,111.43) v1(31.75,117.43)
  Bottom w0.3: v1(31.75,117.43) 39,124.68 39,163.43 44,168.43 v1(47.25,168.43) v1(67.25,168.43) 132.25,168.43 133.5,167.18 133.5,160.43 125.5,152.43 125.5,139.16 ; 125.5,139.16 v1(125.5,130.43) ; 125.5,139.16 R63.1
+3V3 Bios: length 25.4
  Bottom w0.2: D78.2 42.5,90.77 C91.2
  Bottom w0.5: U78.2 U78.2 38.65,76.68 C91.2
+3V3a: length 38
  Top w0.2: R401.2 165,146.43 v1(165.5,145.93) 166,146.43 C404.1 ; v1(139.5,142.93) 139.75,143.18 R102.2
  In2.PWR w0.2: v1(165.5,145.93) v1(160,145.93)
  In2.PWR w1: v1(160,142.18) v1(160,145.93) ; v1(139.5,141.18) 139.5,144.43 v1(160,144.43)
  vias: v1(139.25,157.43) v1(139.25,156.43) v1(139.5,141.93) v1(139.5,140.18) v1(139.75,156.93) v1(160,145.18) v1(160,143.68) v1(160,142.93)
+3V3b: length 38
  Top w0.2: C414.1 166,121.43 v1(165.5,120.93) 165,121.43 R411.2 ; v1(139.5,117.93) 139.75,118.18 R112.2
  In2.PWR w0.2: v1(165.5,120.93) v1(160,120.93)
  In2.PWR w1: v1(160,119.43) 139.5,119.43 v1(139.5,116.18) ; v1(160,117.18) v1(160,120.93)
  vias: v1(139.25,132.43) v1(139.25,131.43) v1(139.5,116.93) v1(139.5,115.18) v1(139.75,131.93) v1(160,120.18) v1(160,118.68) v1(160,117.93)
+3V3c: length 38
  Top w0.2: R421.2 165,96.43 v1(165.5,95.93) 166,96.43 C424.1 ; R122.2 139.75,93.18 v1(139.5,92.93)
  In2.PWR w0.2: v1(165.5,95.93) v1(160,95.93)
  In2.PWR w1: v1(139.5,91.18) 139.5,94.43 v1(160,94.43) ; v1(160,92.18) v1(160,95.93)
  vias: v1(139.25,107.43) v1(139.25,106.43) v1(139.5,91.93) v1(139.5,90.18) v1(139.75,106.93) v1(160,95.18) v1(160,93.68) v1(160,92.93)
+3V3d: length 39.5
  Top w0.2: v1(139.5,67.93) 139.75,68.18 R132.2 ; R431.2 165,71.43 v1(165.5,70.93) 166,71.43 C434.1
  In2.PWR w0.2: v1(165.5,70.93) v1(160,70.93)
  In2.PWR w1: v1(139.5,66.18) 139.5,69.43 v1(160,69.43) ; v1(160,67.18) v1(160,70.93)
  Bottom w0.3: 139.47,81.18 141,81.18
  vias: v1(139.25,82.43) v1(139.25,81.43) v1(139.5,66.93) v1(139.5,65.18) v1(139.75,81.93) v1(160,70.18) v1(160,68.68) v1(160,67.93)
+3V3e: length 38
  Top w0.2: R441.2 165,46.43 v1(165.5,45.93) 166,46.43 C444.1 ; v1(139.5,42.93) 139.75,43.18 R142.2
  In2.PWR w0.2: v1(165.5,45.93) v1(160,45.93)
  In2.PWR w1: v1(160,42.18) v1(160,45.93) ; v1(139.5,41.18) 139.5,44.43 v1(160,44.43)
  vias: v1(139.25,57.43) v1(139.25,56.43) v1(139.5,41.93) v1(139.5,40.18) v1(139.75,56.93) v1(160,45.18) v1(160,43.68) v1(160,42.93)
+3V3f: length 38
  Top w0.2: v1(139.5,17.93) 139.75,18.18 R152.2 ; R451.2 165,21.43 v1(165.5,20.93) 166,21.43 C454.1
  In2.PWR w0.2: v1(165.5,20.93) v1(160,20.93)
  In2.PWR w1: v1(160,17.18) v1(160,20.93) ; v1(139.5,16.18) 139.5,19.43 v1(160,19.43)
  vias: v1(139.25,32.43) v1(139.25,31.43) v1(139.5,16.93) v1(139.5,15.18) v1(139.75,31.93) v1(160,20.18) v1(160,18.68) v1(160,17.93)
+3V3g: length 74.8
  Top w0.2: 121,7.68 121.49,8.17 R461.2 ; 121,7.68 120.75,7.93 v1(120.75,8.43) ; 121,7.68 121.5,7.18 C464.1 ; R304.1 R303.2
  In2.PWR w0.2: v1(120.75,13.18) v1(120.75,8.43)
  In2.PWR w1: v1(81.5,5.93) 81.5,11.18 86.75,16.43 116.75,16.43 v1(120,13.18) ; v1(119.75,30.68) 119.75,14.43 v1(119.25,13.93) v1(118.5,13.18) v1(117,13.18)
  vias: v1(81.5,22.93) v1(81.5,22.18) v1(81.5,8.18) v1(81.5,7.43) v1(81.5,6.68) v1(117,13.93) v1(117.75,13.93) v1(117.75,13.18) v1(118.5,13.93) v1(119.25,13.18) v1(119.5,46.68) v1(119.5,45.93) v1(119.5,45.18) v1(119.5,44.43) v1(119.75,29.93) v1(120,13.93) v1(120.75,13.93)
+5V: length 211.2
  Top w0.2: v1(83.25,151.68) 81.85,153.08 C76.2 ; R110.1 C129.1 ; R72.1 C84.1 ; TP5.1 81.75,150.93 v1(82.5,151.68)
  Top w0.3: C72.1 80.98,157.21 R57.2 81.75,157.18 v1(82,156.93)
  Top w0.4: D4.2 23.15,98.18 30.5,98.18 v1(31.75,99.43)
  Top w0.5: M1.2 100.02,163.16 C84.1 100.02,159.7 v1(100,159.68) D26.1 ; D28.1 v1(129.04,159.47) C129.1 129.04,162.6 M3.2
  Bottom w0.3: v1(83.25,151.68) 83.25,141.68 70.75,129.18 47.25,129.18 41.75,123.68 41.75,109.43 v1(31.75,99.43) ; v1(82.5,152.43) 82,152.93 v1(82,156.93)
  Bottom w0.8: v1(100,159.68) 97.25,156.93 96.25,156.93 ; 86.5,151.68 91.75,156.93 126.5,156.93 v1(129.04,159.47) ; 83.5,151.68 v1(82.5,151.68)
  Bottom w1: J82.4 98.49,139.69 86.5,151.68 83.5,151.68
  vias: v1(82.5,150.93) v1(83.25,152.43) v1(83.25,150.93) v1(84,152.43) v1(84,151.68) v1(84,150.93)
+5Va: length 133.8
  Top w0.2: v1(28.75,125.43) 29,125.18 R481.2 29.77,125.15 C484.1
  Top w0.4: F78.1 C88.2 39.52,135.93 30.5,135.93 28.75,134.18 v1(28.75,129.43) C486.2
  Top w0.5: F79.1 C130.2 v1(18.25,60.18)
  Top w0.6: 20.08,107.17 C30.2
  Top w1: v1(20.5,111.68) 20.5,109.18 20.08,108.76 F2.1 ; C485.2 29.77,129.43 v1(23,129.43) v1(22.25,129.43) v1(21.5,129.43) C32.2 F5.1
  In2.PWR w0.5: v1(18.25,59.43) 18.25,81.93 16.5,83.68 16.5,90.18 20.5,94.18 v1(20.5,111.68)
  In2.PWR w0.6: v1(22.25,129.43) 22.25,128.68
  In2.PWR w1: 22.25,128.68 v1(23,129.43) v1(21.5,129.43) 22.25,128.68 ; 22.25,128.68 22.25,118.43 20.5,116.68 v1(20.5,110.18)
  Bottom w0.2: v1(28.75,125.43) v1(28.75,129.43)
  vias: v1(20.5,110.93)
+12V: length 175.6
  Top w0.2: R74.1 C85.1 ; J5.1 v1(15,157.18)
  Top w0.5: M2.2 115.04,162.6 C85.1 115.04,159.47 D27.1